# Allegro board WCS038B(3.5 - 1).brd (continued)
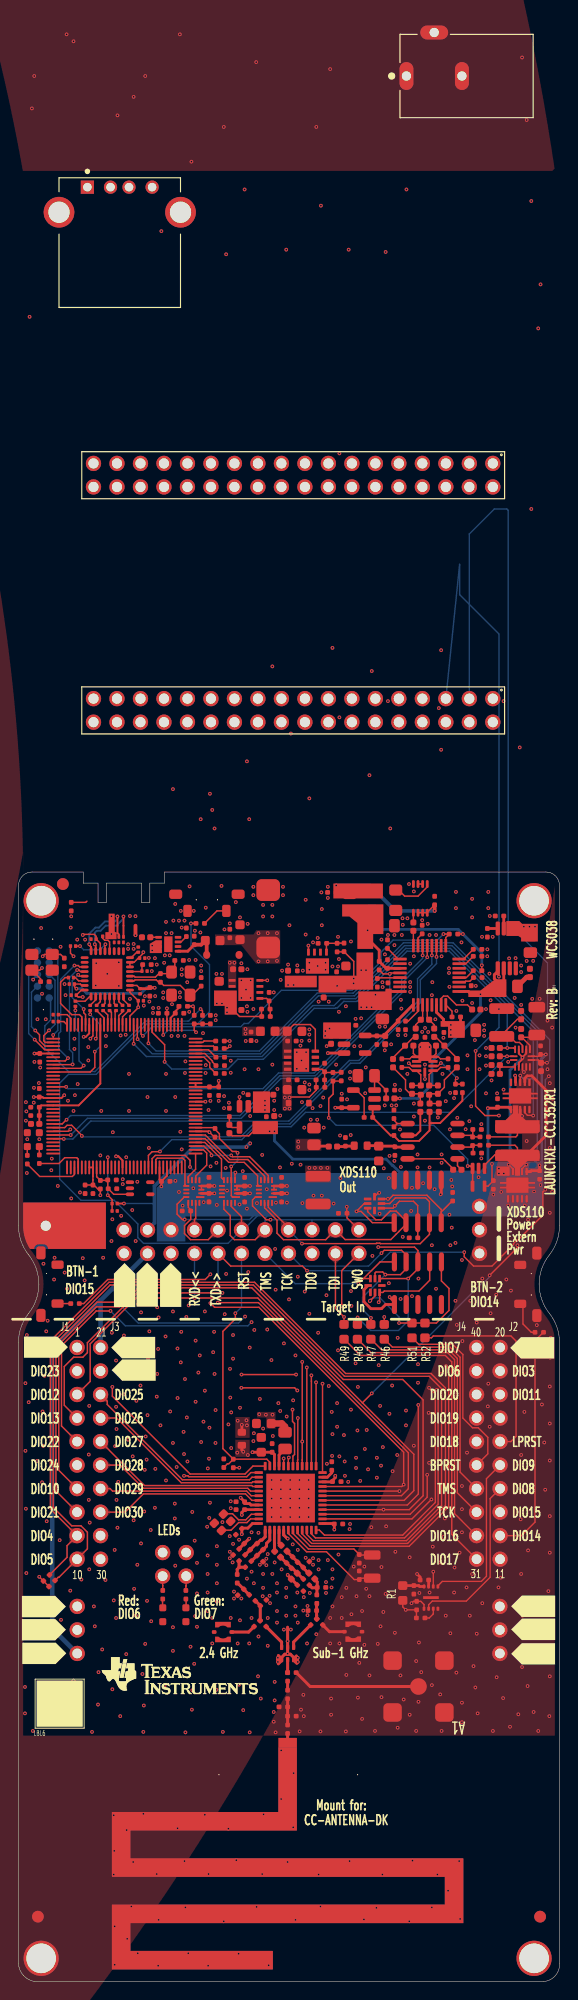
[diagram p0: board, top side]
## Footprints (pads in the part's own frame, mm; a bottom-side part is the same pattern mirrored in y, then rotated)
61303621121
  round 1.65 hole 1.1: 1(-21.59,-1.27) 2(-21.59,1.27) 3(-19.05,-1.27) 4(-19.05,1.27) 5(-16.51,-1.27) 6(-16.51,1.27) 7(-13.97,-1.27) 8(-13.97,1.27) 9(-11.43,-1.27) 10(-11.43,1.27) 11(-8.89,-1.27) 12(-8.89,1.27) 13(-6.35,-1.27) 14(-6.35,1.27) 15(-3.81,-1.27) 16(-3.81,1.27) 17(-1.27,-1.27) 18(-1.27,1.27) 19(1.27,-1.27) 20(1.27,1.27) 21(3.81,-1.27) 22(3.81,1.27) 23(6.35,-1.27) 24(6.35,1.27) 25(8.89,-1.27) 26(8.89,1.27) 27(11.43,-1.27) 28(11.43,1.27) 29(13.97,-1.27) 30(13.97,1.27) 31(16.51,-1.27) 32(16.51,1.27) 33(19.05,-1.27) 34(19.05,1.27) 35(21.59,-1.27) 36(21.59,1.27)
ANTENNA_DN024N
  rect 2x1 smd: 1(0,0)
CAPC0603X35B2N
  custom 0.35x0.4 smd: 1(0,0) 2(0.56,0)
CAPC1005X60A2N
  custom 0.65x0.64 smd: 1(0,0) 2(0.9,0)
CAPC1005X60B2N
  custom 0.524x0.5 smd: 1(0,0) 2(0.924,0)
CAPC1608X90A2N
  custom 0.95x1 smd: 1(0,0) 2(1.6,0)
CAPC1608X100A2N
  custom 0.95x1 smd: 1(0,0) 2(1.6,0)
CAPC2012X150A2N
  custom 1.15x1.45 smd: 1(0,0) 2(1.8,0)
CAPC3225X280A2N
  custom 1.15x2.7 smd: 1(0,0) 2(3,0)
CAPMP7343X200N
  custom 2.35x2.55 smd: 1(0,0) 2(6.2,0)
CUI_PJ-102A
  oval 1.508x3.016 hole 1: 1(-6.5,0) 2(-0.5,0)
  oval 3.016x1.508 hole 1: 3(-3.5,4.7)
DIO_BZX84JN
  custom 0.6x0.7 smd: 1(0,0) 2(2.2,0)
FID127X142
  round 1.27 smd: 1(0,0)
FIL_BLM18HE152SN1DL
  custom 0.752x0.9 smd: 1(0,0) 2(1.4,0)
FIL_BLM18HE152SN1DN
  custom 0.95x1 smd: 1(0,0) 2(1.6,0)
FIL_BLM18HE152SN1DN#2
  custom 0.752x0.9 smd: 1(0,0) 2(1.4,0)
FIL_LFD21829MDKED859_A2N
  custom 0.35x0.55 smd: 1(0,0) 2(0.65,0) 3(1.3,0) 4(1.3,1.325) 5(0.65,1.325) 6(0,1.325)
FILC2012X110A2N
  custom 1.15x1.45 smd: 1(0,0) 2(1.8,0)
GRADCONN_BB02HC031KB1603000_A2B
  round 1.65 hole 1.05: 1(0,0) 2(2.54,0) 3(5.08,0)
GRADCONN_BB02HJ041KB1603000_A2B
  round 1.65 hole 1.05: 1(0,0) 2(0,2.54) 3(2.54,0) 4(2.54,2.54)
GRADCONN_BB02HJ221KB160300_A2B
  round 1.65 hole 1.05: 1(0,0) 2(0,2.54) 3(2.54,0) 4(2.54,2.54) 5(5.08,0) 6(5.08,2.54) 7(7.62,0) 8(7.62,2.54) 9(10.16,0) 10(10.16,2.54) 11(12.7,0) 12(12.7,2.54) 13(15.24,0) 14(15.24,2.54) 15(17.78,0) 16(17.78,2.54) 17(20.32,0) 18(20.32,2.54) 19(22.86,0) 20(22.86,2.54) 21(25.4,0) 22(25.4,2.54)
HUSTSAN_SMA10V21TGGAN
  round 1.8 smd: 1(0,0)
  custom 2x2 smd: 2(-2.8,-2.8) 3(2.8,-2.8) 4(2.8,2.8) 5(-2.8,2.8)
INDC1005X60B2N
  custom 0.524x0.5 smd: 1(0,0) 2(0.924,0)
INDC1005X60C2N
  custom 0.65x0.64 smd: 1(0,0) 2(0.9,0)
INDC1005X60D2N
  custom 0.524x0.5 smd: 1(0,0) 2(0.924,0)
INDC2012X150A2N
  custom 1.15x1.45 smd: 1(0,0) 2(1.8,0)
LEDC1707X65L
  custom 0.752x0.752 smd: 1(0,0) 2(1.501,0)
LEDC1707X65N
  custom 0.752x0.752 smd: 1(0,0) 2(1.501,0)
LEDC1708X67L
  custom 0.752x0.752 smd: 1(0,0) 2(1.501,0)
LEDC1708X67N
  custom 0.752x0.752 smd: 1(0,0) 2(1.501,0)
MTG110_170
  round 1.699 hole 1.1: 1(0,0)
MTG320_380
  round 3.8 hole 3.2: 1(0,0)
MURATA_MM58292700RJ4_A2N
  custom 0.5x0.4 smd: 1(0,0) 2(1.9,0)
  custom 1.7x0.6 smd: M1(0.95,-0.8) M2(0.95,0.8)
OSCCC200X160X45-4A2N
  custom 0.9x0.8 smd: 1(0,0) 2(1.4,0) 3(1.4,1.1) 4(0,1.1)
OSCCC250X320X70-4AN
  custom 1.4x1.15 smd: 1(0,0) 2(2.5,0) 3(2.5,2) 4(0,2)
OSCCC250X320X100-4BN
  custom 1.402x1.198 smd: 1(0,0) 2(2.2,0) 3(2.2,1.7) 4(0,1.7)
OSCSC254P320X500X130-4A2N
  custom 1.4x1.2 smd: 1(0,0) 2(2.54,0) 3(2.54,2.2) 4(0,2.2)
QFN50P150X150X60-8N
  custom 0.3x0.8 smd: 1(0,0) 2(0.5,0) 3(1,0) 5(1,1.5) 6(0.5,1.5) 7(0,1.5)
  custom 0.8x0.3 smd: 4(1.25,0.75) 8(-0.25,0.75)
QFNFC40P180X260X55-16A2N
  custom 0.2x0.9 smd: 1(0,0)
  custom 0.2x0.65 smd: 2(0.4,-0.125) 3(0.8,-0.125) 4(1.2,-0.125) 9(1.2,1.505) 10(0.8,1.505) 11(0.4,1.505) 12(0,1.505)
  custom 0.65x0.2 smd: 5(1.825,0.09) 6(1.825,0.49) 7(1.825,0.89) 8(1.825,1.29) 13(-0.625,1.29) 14(-0.625,0.89) 15(-0.625,0.49) 16(-0.625,0.09)
QFNFC40P200X200X40-14A2N
  custom 0.2x0.8 smd: 1(0,0) 2(0.4,0) 3(0.8,0) 4(1.2,0) 5(1.6,0) 8(1.6,1.9) 9(1.2,1.9) 10(0.8,1.9) 11(0.4,1.9) 12(0,1.9)
  custom 0.8x0.2 smd: 6(1.75,0.75) 7(1.75,1.15) 13(-0.15,1.15) 14(-0.15,0.75)
QFNFC50P700X700X100-49A2N
  custom 0.3x0.9 smd: 1(0,0) 2(0.5,0) 3(1,0) 4(1.5,0) 5(2,0) 6(2.5,0) 7(3,0) 8(3.5,0) 9(4,0) 10(4.5,0) 11(5,0) 12(5.5,0) 25(5.5,6.9) 26(5,6.9) 27(4.5,6.9) 28(4,6.9) 29(3.5,6.9) 30(3,6.9) 31(2.5,6.9) 32(2,6.9) 33(1.5,6.9) 34(1,6.9) 35(0.5,6.9) 36(0,6.9)
  custom 0.9x0.3 smd: 13(6.2,0.7) 14(6.2,1.2) 15(6.2,1.7) 16(6.2,2.2) 17(6.2,2.7) 18(6.2,3.2) 19(6.2,3.7) 20(6.2,4.2) 21(6.2,4.7) 22(6.2,5.2) 23(6.2,5.7) 24(6.2,6.2) 37(-0.7,6.2) 38(-0.7,5.7) 39(-0.7,5.2) 40(-0.7,4.7) 41(-0.7,4.2) 42(-0.7,3.7) 43(-0.7,3.2) 44(-0.7,2.7) 45(-0.7,2.2) 46(-0.7,1.7) 47(-0.7,1.2) 48(-0.7,0.7)
  rect 5.25x5.25 smd: 49(2.75,3.45)
QFNFCP50P200X200X80-10A2N
  custom 0.3x1 smd: 1(0,0) 2(0.5,0) 3(1,0) 4(1.5,0) 6(1.5,1.77) 7(1,1.77) 8(0.5,1.77) 9(0,1.77)
  custom 1x0.3 smd: 5(1.67,0.885) 10(-0.1,0.885)
QFNWB50P500X500X100-33N
  oval 0.3x0.851 smd: 1(0,0) 2(0.5,0) 3(1,0) 4(1.5,0) 5(2,0) 6(2.5,0) 7(3,0) 8(3.5,0) 17(3.5,4.9) 18(3,4.9) 19(2.5,4.9) 20(2,4.9) 21(1.5,4.9) 22(1,4.9) 23(0.5,4.9) 24(0,4.9)
  oval 0.851x0.3 smd: 9(4.2,0.7) 10(4.2,1.2) 11(4.2,1.7) 12(4.2,2.2) 13(4.2,2.7) 14(4.2,3.2) 15(4.2,3.7) 16(4.2,4.2) 25(-0.7,4.2) 26(-0.7,3.7) 27(-0.7,3.2) 28(-0.7,2.7) 29(-0.7,2.2) 30(-0.7,1.7) 31(-0.7,1.2) 32(-0.7,0.7)
  rect 3.25x3.25 smd: 33(1.75,2.45)
QFP40P1600X1600X120-128N
  oval 0.201x1.501 smd: 1(0,0) 2(0.4,0) 3(0.8,0) 4(1.2,0) 5(1.6,0) 6(2,0) 7(2.4,0) 8(2.8,0) 9(3.2,0) 10(3.6,0) 11(4,0) 12(4.4,0) 13(4.8,0) 14(5.2,0) 15(5.6,0) 16(6,0) 17(6.4,0) 18(6.8,0) 19(7.2,0) 20(7.6,0) 21(8,0) 22(8.4,0) 23(8.8,0) 24(9.2,0) 25(9.6,0) 26(10,0) 27(10.4,0) 28(10.8,0) 29(11.2,0) 30(11.6,0) 31(12,0) 32(12.4,0) 65(12.4,15.4) 66(12,15.4) 67(11.6,15.4) 68(11.2,15.4) 69(10.8,15.4) 70(10.4,15.4) 71(10,15.4) 72(9.6,15.4) 73(9.2,15.4) 74(8.8,15.4) 75(8.4,15.4) 76(8,15.4) 77(7.6,15.4) 78(7.2,15.4) 79(6.8,15.4) 80(6.4,15.4) 81(6,15.4) 82(5.6,15.4) 83(5.2,15.4) 84(4.8,15.4) 85(4.4,15.4) 86(4,15.4) 87(3.6,15.4) 88(3.2,15.4) 89(2.8,15.4) 90(2.4,15.4) 91(2,15.4) 92(1.6,15.4) 93(1.2,15.4) 94(0.8,15.4) 95(0.4,15.4) 96(0,15.4)
  oval 1.501x0.201 smd: 33(13.9,1.5) 34(13.9,1.9) 35(13.9,2.3) 36(13.9,2.7) 37(13.9,3.1) 38(13.9,3.5) 39(13.9,3.9) 40(13.9,4.3) 41(13.9,4.7) 42(13.9,5.1) 43(13.9,5.5) 44(13.9,5.9) 45(13.9,6.3) 46(13.9,6.7) 47(13.9,7.1) 48(13.9,7.5) 49(13.9,7.9) 50(13.9,8.3) 51(13.9,8.7) 52(13.9,9.1) 53(13.9,9.5) 54(13.9,9.9) 55(13.9,10.3) 56(13.9,10.7) 57(13.9,11.1) 58(13.9,11.5) 59(13.9,11.9) 60(13.9,12.3) 61(13.9,12.7) 62(13.9,13.1) 63(13.9,13.5) 64(13.9,13.9) 97(-1.5,13.9) 98(-1.5,13.5) 99(-1.5,13.1) 100(-1.5,12.7) 101(-1.5,12.3) 102(-1.5,11.9) 103(-1.5,11.5) 104(-1.5,11.1) 105(-1.5,10.7) 106(-1.5,10.3) 107(-1.5,9.9) 108(-1.5,9.5) 109(-1.5,9.1) 110(-1.5,8.7) 111(-1.5,8.3) 112(-1.5,7.9) 113(-1.5,7.5) 114(-1.5,7.1) 115(-1.5,6.7) 116(-1.5,6.3) 117(-1.5,5.9) 118(-1.5,5.5) 119(-1.5,5.1) 120(-1.5,4.7) 121(-1.5,4.3) 122(-1.5,3.9) 123(-1.5,3.5) 124(-1.5,3.1) 125(-1.5,2.7) 126(-1.5,2.3) 127(-1.5,1.9) 128(-1.5,1.5)
QFP50P700X700X120-32A2N
  custom 0.3x1.45 smd: 1(0,0) 2(0.5,0) 3(1,0) 4(1.5,0) 5(2,0) 6(2.5,0) 7(3,0) 8(3.5,0) 17(3.5,6.4) 18(3,6.4) 19(2.5,6.4) 20(2,6.4) 21(1.5,6.4) 22(1,6.4) 23(0.5,6.4) 24(0,6.4)
  custom 1.45x0.3 smd: 9(4.95,1.45) 10(4.95,1.95) 11(4.95,2.45) 12(4.95,2.95) 13(4.95,3.45) 14(4.95,3.95) 15(4.95,4.45) 16(4.95,4.95) 25(-1.45,4.95) 26(-1.45,4.45) 27(-1.45,3.95) 28(-1.45,3.45) 29(-1.45,2.95) 30(-1.45,2.45) 31(-1.45,1.95) 32(-1.45,1.45)
RESC0603X35B2N
  custom 0.35x0.4 smd: 1(0,0) 2(0.56,0)
RESC1005X40A2N
  custom 0.65x0.64 smd: 1(0,0) 2(0.9,0)
RESC1005X40B2N
  custom 0.524x0.5 smd: 1(0,0) 2(0.924,0)
RESC1005X50A2N
  custom 0.65x0.64 smd: 1(0,0) 2(0.9,0)
RESC1608X55A2N
  custom 0.95x1 smd: 1(0,0) 2(1.6,0)
RESC1608X55N
  custom 0.95x1 smd: 1(0,0) 2(1.6,0)
RESC3216X75A2N
  custom 1.15x1.8 smd: 1(0,0) 2(3,0)
RESC3225X75A2N
  custom 1.15x2.7 smd: 1(0,0) 2(3,0)
RESC3246X70A2N
  custom 1.15x4.8 smd: 1(0,0) 2(2.9,0)
SAMTEC_FTSH-105-01-F-DV-K-10L
  oval 0.551x2.05 smd: 1(0,0) 2(0,4.6) 3(1.27,0) 4(1.27,4.6) 5(2.54,0) 6(2.54,4.6) 7(3.81,0) 8(3.81,4.6) 9(5.08,0) 10(5.08,4.6)
SAMTEC_SSQ11023LD_A2B
  round 1.65 hole 1.05: 1(0,0) 2(2.54,0) 3(0,2.54) 4(2.54,2.54) 5(0,5.08) 6(2.54,5.08) 7(0,7.62) 8(2.54,7.62) 9(0,10.16) 10(2.54,10.16) 11(0,12.7) 12(2.54,12.7) 13(0,15.24) 14(2.54,15.24) 15(0,17.78) 16(2.54,17.78) 17(0,20.32) 18(2.54,20.32) 19(0,22.86) 20(2.54,22.86)
SOD3716X135N
  oval 0.75x0.85 smd: 1(0,0) 2(3.5,0)
SOIC127P600X175-8N
  oval 0.6x1.55 smd: 1(0,0) 2(1.27,0) 3(2.54,0) 4(3.81,0) 5(3.81,5.4) 6(2.54,5.4) 7(1.27,5.4) 8(0,5.4)
SON50P100X145X60-6N
  custom 0.3x0.402 smd: 1(0,0) 2(0.5,0) 3(1,0) 4(1,0.59) 5(0.5,0.59) 6(0,0.59)
SON50P200X200X80-9A2N
  custom 0.3x0.7 smd: 1(0,0) 2(0.5,0) 3(1,0) 4(1.5,0) 5(1.5,2.1) 6(1,2.1) 7(0.5,2.1) 8(0,2.1)
  rect 1.7x0.9 smd: 9(0.75,1.05)
SON50P300X200X60-9B2L
  custom 0.3x0.45 smd: 1(0,0) 2(0.5,0) 3(1,0) 4(1.5,0) 5(1.5,2.4) 6(1,2.4) 7(0.5,2.4) 8(0,2.4)
  rect 1.7x0.3 smd: 9(0.75,1.2)
SON50P300X300X100-11A2N
  custom 0.25x0.8 smd: 1(0,0) 2(0.5,0) 3(1,0) 4(1.5,0) 5(2,0) 6(2,2.94) 7(1.5,2.94) 8(1,2.94) 9(0.5,2.94) 10(0,2.94)
  custom 3.8x1.65 smd: 11(1,1.47)
SON65P300X300X100-9AN
  custom 0.3x0.75 smd: 1(0,0) 2(0.65,0) 3(1.3,0) 4(1.95,0) 5(1.95,3) 6(1.3,3) 7(0.65,3) 8(0,3)
  rect 2.5x1.65 smd: 9(0.975,1.5)
SON65P300X300X100-9AN#2
  custom 0.35x0.8 smd: 1(0,0) 2(0.65,0) 3(1.3,0) 4(1.95,0) 5(1.95,3) 6(1.3,3) 7(0.65,3) 8(0,3)
  rect 2.5x1.65 smd: 9(0.975,1.5)
SOP50P310X90-8N
  oval 0.3x0.851 smd: 1(0,0) 2(0.5,0) 3(1,0) 4(1.5,0) 5(1.5,3.1) 6(1,3.1) 7(0.5,3.1) 8(0,3.1)
SOP65P490X110-8A2N
  custom 0.45x1.5 smd: 1(0,0) 2(0.65,0) 3(1.3,0) 4(1.95,0) 5(1.95,4.3) 6(1.3,4.3) 7(0.65,4.3) 8(0,4.3)
SOT65P210X110-5A2N
  custom 0.4x1.2 smd: 1(0,0) 2(0.65,0) 3(1.3,0) 4(1.3,1.92) 5(0,1.92)
SOT65P210X110-5N
  oval 0.399x0.899 smd: 1(0,0) 2(0.65,0) 3(1.3,0) 4(1.3,2.2) 5(0,2.2)
SOT95P280X145-5A2N
  custom 0.6x1.35 smd: 1(0,0) 2(0.95,0) 3(1.9,0) 4(1.9,2.29) 5(0,2.29)
SW_1188E1K2V_A2N
  round 0.099 hole 0.899 unplated: (2.229,0.6) (4.529,0.6)
  custom 1.4x1 smd: 1(0,0) 2(6.75,0)
  custom 0.9x1.3 smd: 3(1.275,1.8) 4(5.475,1.8)
TAGCONNECT_TC2050IDCNL_A2N
  round 0.1 hole 1 unplated: (-1.27,0.635) (6.35,-0.38) (6.35,1.65)
  round 0.8 smd: 1(0,0) 2(1.27,0) 3(2.54,0) 4(3.81,0) 5(5.08,0) 6(5.08,1.27) 7(3.81,1.27) 8(2.54,1.27) 9(1.27,1.27) 10(0,1.27)
TE_292303-1
  rect 1.428x1.428 hole 0.92: 1(0,0)
  round 1.428 hole 0.92: 2(2.5,0) 3(4.5,0) 4(7,0)
  round 3.316 hole 2.3: SH1(-3.07,-2.71) SH2(10.07,-2.71)
unnamed#2
  round 0.099 hole 3.2 unplated: (0,0) (15,0)
XTAL_FC-135N
  custom 1x1.798 smd: 1(0,0) 2(2.499,0)

## Nets
5V0: C48.1 C110.1 C111.2 C112.1 C151.1 C152.1 C157.1 C160.1 C161.1 C164.1 C168.1 C484.1 FL2.1 FL5.2 P4.19 R92.2 R354.2 U7.1 U7.2 U7.8 U42.1 U42.2 U42.8 U43.1 U43.3 U44.1 U44.3
5V0_BP: J1.2 P2.1 P4.20
GND: C1.2 C2.2 C3.2 C4.2 C6.2 C7.2 C8.2 C9.2 C11.2 C13.2 C14.2 C21.2 C30.2 C32.2 C34.2 C35.1 C38.2 C39.2 C40.2 C41.1 C42.2 C43.2 C44.2 C45.2 C46.2 C48.2 C49.2 C50.2 C70.2 C71.2 C72.2 C73.2 C74.2 C75.2 C78.2 C79.2 C80.2 C81.2 C83.2 C84.2 C85.1 C86.1 C87.2 C88.1 C89.2 C91.2 C108.2 C109.2 C110.2 C111.1 C112.2 C113.2 C114.2 C115.2 C116.2 C117.2 C118.2 C119.2 C120.2 C121.2 C122.2 C124.1 C125.1 C126.1 C127.2 C128.2 C133.2 C134.2 C136.2 C137.2 C138.2 C139.2 C140.2 C141.2 C142.2 C143.2 C144.2 C145.2 C147.2 C149.2 C151.2 C152.2 C154.2 C155.2 C156.2 C157.2 C158.2 C159.2 C160.2 C161.2 C162.2 C163.2 C164.2 C165.2 C166.2 C168.2 C170.1 C171.2 C174.2 C175.2 C220.2 C221.2 C231.2 C331.2 C341.2 C342.2 C351.2 C441.2 C451.2 C481.2 C484.2 C485.2 C486.2 CR1.1(C) CR2.1(C) CR4.1(C) CR5.1(C) CR6.3 CR7.4 CR8.4 CR14.2 CR15.2 FL3.1 FL3.3 FL3.5 J1.4 J2.2 J7.2 J7.3 J7.4 J7.5 J8.2 J8.3 J9.13 J9.15 J11.4 J11.SH1 J11.SH2(SHIELD__1) MH3.1 MH4.1 MH5.1 P1.2 P1.3 P2.2 P2.3 P4.21 P4.22 P5.3 P5.5 P5.9 P7.3 P7.5 P7.9 P8.3 P8.5 P8.9 P11.2 P11.M1 P11.M2 P12.2 P12.M1 P12.M2 R21.2 R28.1 R29.2 R30.2 R32.1 R34.1 R61.1 R62.1 R63.1 R65.1 R84.1 R90.1 R91.1 R93.2 R97.2 R105.1 R106.1 R115.2 R116.1 R117.1 R118.1 R122.1 R123.1 R125.1 R126.2 R127.2 R128.2 R129.2 R130.2 R133.1 R135.1 R136.1 R152.1 R353.1 SW1.1 SW1.2 SW1.3 SW2.1 SW2.2 SW2.4 SW3.1 SW3.2 SW3.4 U1.49 U4.4 U4.9 U5.10 U5.17 U5.48 U5.55 U5.58 U5.64 U5.66 U5.80 U5.114 U6.1 U7.6 U7.9 U8.1 U8.5 U8.7 U8.10 U8.11 U8.16 U9.1 U9.5 U9.10 U9.11 U9.13 U9.16 U10.7 U10.9 U10.10 U10.11 U10.12 U10.16 U15.1 U15.2 U15.33 U33.6 U33.11 U34.4 U35.5 U35.10 U35.13 U35.14 U35.18 U35.26 U35.30 U35.31 U36.4(V-) U37.5(VS-) U38.6 U38.7 U38.8 U38.9 U38.10 U38.11 U39.7 U39.10 U39.11 U39.12 U40.7 U40.8 U41.2(V-) U42.6 U42.9 U43.2 U44.2 U45.2(V-) U46.6 U46.9 U47.8 U47.9 Y2.2 Y2.4(GND#4) Y3.2 Y3.4 Y4.2 Y4.4 Y5.2 Z61.1 Z62.2
VBUS_DET: R92.1 R93.1 U5.12
VDDC: C43.1 C44.1 C45.1 U5.87(VDDC#87) U5.115
VDDR: C331.1 C451.1 C481.1 L331.2 U1.45 U1.48
VDDS: C220.1 C221.1 C341.1 C342.1 C441.1 FL1.1 R351.2 U1.13 U1.22 U1.34 U1.44
BP_RESET: J2.11 R52.1
DCDC_SW: L331.1 U1.33
DIO3: J2.4 U1.8
DIO4_SCL: J1.17 R2.1 U1.9
DIO5_SDA: J1.19 R3.1 U1.10
DIO6_RLED: J2.3 P6.2 U1.11
DIO7_GLED: J2.1 P6.4 U1.12
DIO8_MISO: J2.14 U1.14 U4.2
DIO9_MOSI: J2.12 U1.15(DIO_9) U4.5
DIO10_SCLK: J1.13 U1.16 U4.6
DIO11_CS: J2.6 U1.17
DIO14_BTN2: J2.18 R55.2 U1.20
DIO15_BTN1: J2.16 R56.2 U1.21
DIO16_TDO: CR8.5 P4.6 P5.6 R48.2 U1.26
DIO17_TDI: CR8.3 P4.4 P5.8 R49.2 U1.27
DIO19_CTS: J2.7 U1.29
DIO20_FLASH_CS: J2.5 R11.1 U1.30 U4.1
DIO21: J1.15 U1.31
DIO22: J1.9 U1.32
DIO23_ANALOG: J1.3 U1.36
DIO24_ANALOG: J1.11 U1.37
DIO25_ANALOG: J1.6 U1.38
DIO26_ANALOG: J1.8 U1.39
DIO27_ANALOG: J1.10 U1.40
DIO28_ANALOG: J1.12 U1.41
DIO29_ANALOG: J1.14 U1.42
DIO30_ANALOG: J1.16 U1.43
ET_1V8: C128.1 C158.1 C159.1 U35.1 U43.5(OUT)
ET_3V3: C126.2 C141.1 C142.1 C153.1 C154.1 C155.1 C156.1 L333.1 L334.2 R132.2 U37.3 U37.10 U40.1(VIN) U40.2 U41.5 U42.3 U42.4(OUT#4)
ET_5V0: C125.2 C165.1 FL4.1 U36.7
ET_AVDD: C119.1 C120.1 C121.1 C122.1 L334.1 R98.1 U35.6 U35.32
ET_BYPASS: U5.78 U33.4 U33.8
ET_CAL0: R129.1 U5.74 U39.13
ET_CAL1: R128.1 U5.73 U39.5
ET_CAL2: R127.1 U5.23 U39.6
ET_CALIBRATE: U5.77 U38.4
ET_DVDD: C116.1 C117.1 L332.1 L333.2 R96.1 R114.1 R119.1 U35.27 Y5.1
ET_FB: C169.2 R138.1 U45.3 U45.4
ET_PM2: R96.2 U5.76 U35.17(START)
ET_PN3: R114.2 U5.110 U35.28
ET_SSICLK: U5.120 U35.22
ET_SSIDAT0: U5.123 U35.21
ET_SSIDAT1: U5.124 U35.20
ET_SSIFSS: U5.121 U35.19
ET_VDD: C172.1 C174.1 C485.1 C486.1 CR14.1(CATHODE) P10.1 R151.2 U46.3 U46.4(OUT#4)
ET_VREF: C127.1 C146.1 R121.1 U35.9 U40.5 U40.6
IRSTN: P8.10 R20.2
ITCK: P8.4 U5.100
ITDI: P8.8 U5.98
ITDO: P8.6 U5.97
ITMS: P8.2 U5.99
LP_RESET: J2.10 R51.1
LS_VDD: C70.1 C72.1 C74.1 CR7.8(VCC) P7.1 P10.2 U8.2(VCCB) U9.2(VCCB) U10.2(VCCB) U33.3 U33.9
RX_TX: C11.1 C32.1 L12.2 L33.1 U1.5
SW_VDD: C114.1 C139.1 C140.1 C162.1 C163.1 C170.2 R134.2 U33.1(VCC) U38.1(VCC) U39.14(VCC) U44.5(OUT) U45.5
TARGET_VDD: P4.17 U38.5
USB1V8: C83.1 C84.1 C85.2 U15.15 U15.26
USB_VBUS: CR6.6 J8.1 J9.1 J9.3 J9.5 J9.7 J11.1 R82.2 U47.2 U47.3 U47.4
USBA1V8: C86.2 C87.1 U15.29
USBCLK: R148.2 U5.92
USBD0: R140.2 U5.81
USBD1: R141.2 U5.82
USBD2: R142.2 U5.83
USBD3: R143.2 U5.84
USBD4: R144.2 U5.85
USBD5: R145.2 U5.86
USBD6: R146.2 U5.106
USBD7: R147.2 U5.105
USBDIR: U5.104 U15.12
USBDM: CR6.5 U15.8
USBDM_WIFI: J9.9 J11.2
USBDP: CR6.4 U15.7
USBDP_WIFI: J9.11 J11.3
USBNXT: U5.103 U15.11
USBSTP: U5.91 U15.13
VCM: R100.1 R109.2 R111.2 R131.1 U41.1
WMCU_RESET: C351.1 CR8.2 P4.12 P5.10 R51.2 R52.2 R351.1 U1.35
WMCU_RXD: J1.5 J10.5 P4.16 U1.18
WMCU_SWO: J2.9 P4.2 U1.28
WMCU_TCK: CR8.6 P4.8 P5.4 R47.2 U1.25
WMCU_TMS: CR8.7 P4.10 P5.2 R46.2 U1.24
WMCU_TXD: J1.7 J10.3 P4.14 U1.19
WMCU_VDD: CR8.8(VCC) FL1.2 J1.1 P1.1 P4.18 P5.1 P10.3 R1.2 R2.2 R3.2 R11.2 R59.2 R60.2
XDS_RESET: R58.1 U5.40 U10.1 U10.6
XDS_RESET_LS: CR7.2 P4.11 P7.10 R57.2 U10.15
XDS_RX: U5.33 U8.8
XDS_RX_LS: P4.13 R61.2 U8.13
XDS_SWO: U5.25 U8.9
XDS_SWO_LS: P4.1 R62.2 U8.12
XDS_TCK: U5.35 U9.6
XDS_TCK_LS: CR7.6 P4.7 P7.4 U9.15
XDS_TDI: U5.38 U9.7
XDS_TDI_LS: CR7.3 P4.3 P7.8 U9.14
XDS_TDO: U5.37 U9.9
XDS_TDO_LS: CR7.5 P4.5 P7.6 R63.2 U9.12
XDS_TMS: U5.36 U10.8
XDS_TMS_DIR: U5.24 U10.5
XDS_TMS_LS: CR7.7 P4.9 P7.2 R65.2 U10.13
XDS_TX: U5.34 U8.6
XDS_TX_LS: P4.15 U8.15
XDS_VDD: C2.1 C3.1 C4.1 C6.1 C7.1 C38.1 C39.1 C40.1 C42.1 C47.1 C49.1 C71.1 C73.1 C75.1 C78.1 C79.1 C80.1 C113.1 P8.1 R17.2 R18.2 R27.1 R31.2 R33.2 R39.1 R58.2 R83.1 U5.7 U5.8 U5.16 U5.26 U5.28 U5.39 U5.47 U5.51 U5.52 U5.69 U5.79 U5.90 U5.101 U5.113 U5.122 U7.3 U7.4(OUT#4) U8.3 U8.4 U9.3 U9.4 U10.3 U10.4 U15.6 U15.16 U15.25 U15.30 U15.31
N1013277: U1.46 Y2.3
N1014101: C81.1 U1.6 Y1.1
N1014113: C91.1 U1.7 Y1.2
N1017630: C30.1 R1.1 U4.8(VCC)
N1018954: U1.47 Y2.1
N1105722: CR1.2 R15.1
N1105771: CR2.2 R14.1
N1105824: P6.1 R14.2
N1106228: P6.3 R15.2
N1176544: J2.13 R46.1
N1176548: J2.15 R47.1
N1176568: J2.17 R48.1
N1177007: J2.19 R49.1
N1288065: R55.1 SW2.3
N1288098: R56.1 SW1.4
N1409884: R59.1 U4.3
N1409917: R60.1 U4.7
N2070546: C231.1 U1.23
N2077625: C37.1 P12.1
N2078767: C483.2 J7.1
N2082297: Z60.2 Z61.2 Z62.1 Z63.1
N2082307: A1.1 Z63.2
N2109598: C482.2 Z60.1
N2200217: C482.1 C483.1 FL3.2(P3_COMM_PORT)
N2265485: C12.1 L11.1 L12.1 U1.1
N2265505: C12.2 L13.1 L21.2
N2265585: C13.1 L13.2 L14.1
N2265597: C14.1 C15.1 C24.1 L14.2
N2265609: C21.1 L11.2 L21.1 U1.2
N2265771: L31.1 U1.3
N2265775: L41.1 U1.4
N2265811: C31.2 C33.1 L31.2 L32.1 L33.2
N2265859: C33.2 C34.1 L34.1 L42.2
N2265947: C35.2 C36.1 C37.2 L34.2
N2265959: C31.1 C41.2 L32.2 L41.2 L42.1
N2271463: C24.2 P11.1
N2275325: C15.2 FL3.6
N2275332: C36.2 FL3.4
N2777344: R57.1 SW3.3
N2941019: R90.2 U5.95
N2941087: R91.2 U5.96
N2941281: R23.2 U5.3
N2941323: R25.2 U5.4
N2941527: CR5.2 R25.1
N2941531: CR4.2 R23.1
N2941987: C89.1 R87.2 U15.28 Y4.1
N2942075: C88.2 R87.1 U15.27(XO) Y4.3
N2942253: R83.2 U15.5
N2942419: R39.2 U5.63
N2942527: R84.2 U15.32
N2942551: R27.2 U5.62
N2942639: R29.1 U5.61
N2942779: R30.1 U5.60
N2943199: C46.1 R31.1 U5.68
N2943207: R140.1 U15.24
N2943259: R148.1 U15.14
N2943267: R141.1 U15.23
N2943319: R142.1 U15.22
N2943359: R143.1 U15.21
N2943391: R144.1 U15.20
N2943423: R32.2
N2943451: R145.1 U15.19
N2943523: R146.1 U15.18
N2943603: R147.1 U15.17
N2943999: R17.1 R20.1 R21.1 U5.70
N2944041: C8.1 C50.1 R18.1 U5.9 U6.3
N2944467: C47.2 R33.1 R34.2 U7.5
N2944509: C9.1 U5.88 Y3.1
N2944561: C1.1 U5.89 Y3.3
N2944733: R28.2 U5.59
N2986125: C115.1 C118.1 L332.2 U34.6 U34.7 U34.8(VCC) Y5.4(VCC)
N2986433: R99.2 R107.2 U33.2
N2986453: U34.1 Y5.3
N2986493: U34.2 U34.3
N2986501: R94.2 U34.5
N2986505: R94.1 U35.24
N2986529: R107.1 R108.2 U33.7 U38.3 U45.1
N2986711: C129.1 R95.2 R101.1 R102.2
N2986719: R95.1 R103.1 R104.2
N2986959: C123.1 C130.1 R102.1 U37.4
N2986967: C123.2 R103.2 U37.1
N2987171: R97.1 U35.29
N2987283: C124.2 C132.1 R99.1 U36.3
N2987343: R98.2 U35.8
N2987399: R137.2 U36.1
N2987403: R137.1 U36.8
N2987531: R101.2 U36.6
N2987583: C131.1 R104.1 U35.3
N2987595: R105.2 U35.23
N2987655: C132.2 C134.1 R108.1 U36.2
N2987667: C133.1 R111.1 U37.7
N2987683: C131.2 R113.1 U35.4
N2987711: R100.2 R106.2 U36.5
N2987751: C130.2 C135.1 R110.1 U37.6
N2987759: C135.2 R112.2 U37.9
N2987811: C136.1 U35.2
N2987883: C129.2 R109.1 R110.2 R115.1 R120.2
N2987963: C137.1 U35.11
N2988091: R112.1 R113.2 R120.1
N2988111: C138.1 U35.25
N2988211: R116.2 U35.7
N2988383: R117.2 U35.16
N2988415: R118.2 U35.15
N2988503: R119.2 U35.12
N2988673: U38.2 U39.2 U39.4 U39.9
N2989115: C143.1 R123.2 U39.1
N2989191: R136.2 U40.3
N2989203: C147.1 R121.2 R126.1 U41.3
N2989279: C145.1 U40.4
N2989287: C146.2 R122.2
N2989331: C144.1 R125.2 U39.3
N2989451: R131.2 U41.4
N2989545: C149.1 R130.1 U39.8
N2992079: C171.1 C175.1 FL5.1 U46.1 U46.2 U46.8
N2992279: C153.2 R132.1 R133.2 U42.5
N2992427: C169.1 C172.2 R138.2 R151.1 R152.2 U46.5
N2992751: C166.1 FL4.2 R354.1
N2993203: R134.1 R135.2 U44.4
N3010981: C109.1 CR15.1(CATHODE) FL2.2 U47.5(OUT)
N3012487: C108.1 U47.1
N3014332: R353.2 U47.7
N294220919: R82.1 U15.4

Pads without a net: CR6 1 2; CR7 1; CR8 1; FIDU1 1; FIDU2 1; FIDU3 1; FIDU4 1; FIDU5 1; FIDU6 1; J1 18 20; J2 8 20; J9 2 4 6 8 10 12 14 16 17 18 19 20 21 22 23 24 25 26 27 28 29 30 31 32 33 34 35 36; J10 1 2 4 6 7 8 9 10 11 12 13 14 15 16 17 18 19 20 21 22 23 24 25 26 27 28 29 30 31 32 33 34 35 36; MH1 1; MH2 1; P5 7; P7 7; P8 7; U5 1 2 5 6 11 13 14 15 18 19 20 21 22 27 29 30 31 32 41 42 43 44 45 46 49 50 53 54 56 57 65 67 71 72 75 93 94 102 107 108 109 111 112 116 117 118 119 125 126 127 128; U6 2 4 5; U7 7; U8 14; U9 8; U10 14; U15 3 9 10; U33 5 10; U37 2 8; U42 7; U43 4; U46 7; U47 6

## Via types
v1: diameter 0.4, hole 0.2, TOP to BOTTOM, 1252 vias
v2: diameter 0.5, hole 0.201, TOP to BOTTOM, 25 vias

## Routing (per net, layer and track width the routed paths; a pad name or vN(x,y) marks a point on that pad's centre or on a via; arc(x,y) is an arc through that point)
5V0: length 27.3
  TOP w0.15: U44.3 v1(23.9,95.5) ; U42.8 v1(31.35,111.85) ; U7.8 v1(26.9,108.1)
  TOP w0.2: R92.2 v1(11.4,84)
  TOP w0.3: C168.1 32.1,90.2 33.5,90.2 R354.2 ; U43.3 v1(33.45,100.25)
  L3 w0.15: 26.31,94.79 26.3,94.8
  BOTTOM w0.15: 14.7,84 v1(11.4,84)
  BOTTOM w0.4: v1(25.05,90.5) 25,90.5 24.6,90.1 ; 24.6,90.1 18.92,90.1 14.7,85.88 14.7,81.91 P4.19 ; 24.6,90.1 v1(24.65,90.1)
  vias: v1(22.85,110) v1(23.35,110) v1(24.55,102.85) v1(24.55,102.35) v1(25.95,113.2) v1(25.95,110.15) v1(26.65,95.1) v1(26.65,94.6) v1(26.65,94.1) v1(26.95,113.2) v1(26.95,110.15) v1(27.95,113.2) v1(27.95,110.2) v1(29.15,107.6) v1(29.75,107.6) v1(30.25,90.7) v1(30.25,90.1) v1(33.18,102.63) v1(33.15,102.1) v1(33.63,102.9)
5V0_BP: length 53.7
  BOTTOM w0.5: J1.2 8.87,73.54 ; 8.87,73.54 3.65,68.32 3.65,38.12 P2.1 ; 8.87,73.54 P4.20
GND: length 69.8
  TOP w0.15: 2.07,82.48 MH5.1 ; MH5.1 4.05,81.6 ; MH5.1 3.83,82.48 ; MH5.1 2.45,82.74 ; MH5.1 2.45,80.46 ; MH5.1 1.81,82.1 ; MH5.1 2.95,80.5 ; MH5.1 3.45,80.46 ; MH5.1 2.95,82.7 ; MH5.1 3.45,82.74 ; MH5.1 4.09,82.1 ; MH5.1 1.85,81.6 ; MH5.1 3.83,80.72 ; MH5.1 1.81,81.1 ; MH5.1 4.09,81.1 ; MH5.1 2.07,80.72 ; v1(18.75,29.35) 18.65,29.35
  TOP w0.32: FL3.3 29.75,34.7 30.1,34.35 ; FL3.3 30.15,34.75 ; FL3.3 29.75,34.85 ; 28.45,34.85 FL3.1 ; 28.45,34.85 28.45,34.99 28.79,35.34 29.03,35.34 v1(29.1,35.4) ; 28.45,34.85 28.1,35.2 ; FL3.1 28,34.75 ; FL3.1 28.45,34.65 28.1,34.3 ; v1(29.1,35.4) 29.16,35.34 29.41,35.34 29.75,34.99 29.75,34.85 ; v1(29.1,35.4) FL3.5 v1(29.1,36.75) 29.1,38.25 ; 29.75,34.85 30.05,35.15
  TOP w0.4: v1(12.65,112.97) 12.65,114
  L2 w1: J8.2 51.2,205.75 ; J11.4 14.95,208 ; J8.3 44.95,206.5
  BOTTOM w0.15: 2.07,82.48 MH5.1 ; MH5.1 4.09,81.1 ; MH5.1 3.45,82.74 ; MH5.1 3.45,80.46 ; MH5.1 2.45,82.74 ; MH5.1 2.07,80.72 ; MH5.1 2.95,80.5 ; MH5.1 2.95,82.7 ; MH5.1 2.45,80.46 ; MH5.1 3.83,82.48 ; MH5.1 1.81,82.1 ; MH5.1 1.81,81.1 ; MH5.1 1.85,81.6 ; MH5.1 4.05,81.6 ; MH5.1 3.83,80.72 ; MH5.1 4.09,82.1 ; P8.3 1.6,108.2 1.6,108.18 v1(1.58,108.18)
  vias: v1(0.8,94.95) v1(0.8,92.95) v1(0.8,68.35) v1(0.75,64.6) v1(0.75,57.3) v1(0.8,51.05) v1(0.7,39.55) v1(0.7,35.45) v1(0.7,31.8) v1(0.7,28.95) v1(0.85,93.95) v1(0.9,87.3) v1(0.9,69.8) v1(0.85,44.1) v1(0.95,90.95) v1(1.2,179.75) v1(1.1,62.55) v1(1.45,202.25) v1(1.55,27.05) v1(1.67,96.5) v1(1.65,94.9) v1(1.7,205.75) v1(1.72,99.3) v1(1.8,37.55) v1(2.05,103.9) v1(2,56.2) v1(2.2,97.01) v1(2.25,90.95) v1(2.35,98.69) v1(2.45,113.75) v1(2.45,40.8) v1(2.55,53.9) v1(2.65,68.5) v1(2.6,61.55) v1(2.65,57.85) v1(2.7,77.5) v1(2.8,65.4) v1(2.95,103.9) v1(3,70.2) v1(3.05,49.7) v1(3.15,71.35) v1(3.55,87.6) v1(3.5,35.35) v1(3.6,88.85) v1(3.9,78.15) v1(3.85,75.8) v1(4.25,85.9) v1(4.45,47.65) v1(4.55,111.73) v1(4.6,39.05) v1(4.98,107.7) v1(4.99,76.55) v1(5.09,106.5) v1(5,30.45) v1(5.2,210.25) v1(5.15,28.25) v1(5.25,74.8) v1(5.35,95.1) v1(5.65,113.8) v1(5.6,42.2) v1(5.7,115.01) v1(5.7,84.55) v1(5.95,209.5) v1(5.95,94) v1(5.95,32.5) v1(6.05,101.8) v1(6.05,100.7) v1(6.1,95.7) v1(6.35,112.5) v1(6.4,96.9) v1(6.65,85.2) v1(6.8,43.4) v1(6.95,78.1) v1(7.2,112.5) v1(7.15,75.7) v1(7.55,100.9) v1(7.55,99.45) v1(7.65,62.15) v1(7.6,56.9) v1(7.6,52) v1(7.65,44.5) v1(7.7,49.55) v1(7.95,26.95) v1(8.15,40.5) v1(8.25,38.35) v1(8.4,109.95) v1(8.35,107.55) v1(8.65,33.4) v1(8.6,29.9) v1(8.85,89.2) v1(8.95,94) v1(9.05,35.85) v1(9.15,78.15) v1(9.4,43.35) v1(9.45,102.1) v1(9.45,101) v1(9.6,108.8) v1(10.05,79.95) v1(10.2,91.7) v1(10.15,82.3) v1(10.1,70.05) v1(10.15,31.55) v1(10.3,41.15) v1(10.4,46.6) v1(10.45,57.8) v1(10.55,67.05) v1(10.55,62.05) v1(10.55,39.25) v1(10.6,59.65) v1(10.6,52) v1(10.7,201.5) v1(10.79,53.95) v1(10.7,49) v1(10.85,110.05) v1(10.85,107.5) v1(10.85,68.65) v1(11.05,102.15) v1(11,28.65) v1(11.1,82.68) v1(11.27,86.63) v1(11.27,86.1) v1(11.25,65.1) v1(11.4,69.75) v1(11.35,63.4) v1(11.59,102.23) v1(11.65,89) v1(11.65,35.35) v1(11.85,112) v1(11.85,111.5) v1(11.85,58.5) v1(11.95,98) v1(11.95,94) v1(12.05,115.05) v1(12.05,106.1) v1(12.3,83.3) v1(12.35,56.7) v1(12.45,203.5) v1(12.45,112.03) v1(12.45,111.5) v1(12.45,68.85) v1(12.45,49.8) v1(12.5,42.4) v1(12.65,115.03) v1(12.67,79.95) v1(12.75,62.7) v1(12.7,39.5) v1(12.85,86.35) v1(12.85,45) v1(12.95,73.15) v1(13,66.25) v1(13.19,64.35) v1(13.25,72.25) v1(13.25,47.3) v1(13.4,33.2) v1(13.55,105.37) v1(13.55,29.8) v1(13.5,26.95) v1(13.67,106.39) v1(13.65,55.25) v1(13.6,50.75) v1(13.7,205.75) v1(13.75,58.85) v1(13.7,36.45) v1(13.85,56.35) v1(13.9,41.1) v1(13.95,95.5) v1(13.95,61.15) v1(14.09,110.52) v1(14,67.2) v1(14.15,105.81) v1(14.1,90) v1(14.15,70.2) v1(14.3,48.75) v1(14.35,38.9) v1(14.41,109.1) v1(14.55,105.11) v1(14.54,104.58) v1(14.75,110.5) v1(14.78,106.4) v1(14.8,55.35) v1(14.75,51.15) v1(14.95,109.8) v1(14.95,63.15) v1(15,72.8) v1(15,65.6) v1(15.15,105.13) v1(15.15,71.7) v1(15.1,68.3) v1(15.35,60.05) v1(15.45,189) v1(15.65,106.8) v1(15.65,106.2) v1(15.75,110) v1(15.8,31.95) v1(15.82,110.8) v1(15.9,69.65) v1(15.95,114.41) v1(15.95,113.2) v1(15.95,98) v1(15.95,94) v1(15.95,54.1) v1(16.35,110.8) v1(16.4,61.55) v1(16.55,113.2) v1(16.55,102.1) v1(16.6,105.52) v1(16.7,128.75) v1(16.75,114.55) v1(16.7,72.35) v1(16.7,58.15) v1(16.7,38.25) v1(16.7,35.7) v1(16.9,51.6) v1(16.9,50) v1(16.95,116.35) v1(16.95,95.5) v1(16.96,86.45) v1(16.95,44.9) v1(17.19,68.35) v1(17.2,63) v1(17.1,55.55) v1(17.25,102.1) v1(17.35,114.55) v1(17.35,85.25) v1(17.45,210.25) v1(17.45,106.8) v1(17.45,106.27) v1(17.55,115.6) v1(17.5,91.75) v1(17.55,66.85) v1(17.65,113.8) v1(17.65,109.3) v1(17.65,108.7) v1(17.65,89.85) v1(17.6,70.15) v1(17.75,83.78) v1(17.85,59.35) v1(17.9,56.95) v1(17.95,114.55) v1(17.95,102.1) v1(18.05,99.35) v1(18,98.1) v1(18,65.05) v1(18.05,26.9) v1(18.15,71.75) v1(18.2,60.9) v1(18.25,107.9) v1(18.27,56.15) v1(18.4,73) v1(18.45,110.3) v1(18.46,104.7) v1(18.5,118.25) v1(18.6,36.15) v1(18.7,196.5) v1(18.79,50.7) v1(18.8,31.45) v1(18.9,85.65) v1(18.95,115.6) v1(19.07,113.46) v1(19.05,47.6) v1(19,34.3) v1(19.15,110.3) v1(19.15,69.2) v1(19.15,62.6) v1(19.1,39.45) v1(19.3,45.2) v1(19.3,41.9) v1(19.3,38.3) v1(19.45,65.75) v1(19.67,113.27) v1(19.6,67.6) v1(19.7,125.5) v1(19.75,109.7) v1(19.75,109.1) v1(19.75,58.25) v1(19.95,102.4) v1(20.02,84.15) v1(20,60.45) v1(20.15,72.35) v1(20.15,63.8) v1(20.25,115.95) v1(20.25,98.95) v1(20.23,98.1) v1(20.4,49.1) v1(20.47,55.4) v1(20.45,46) v1(20.45,44) v1(20.45,42) v1(20.45,40) v1(20.55,94.1) v1(20.65,59.8) v1(20.6,56.45) v1(20.63,50.05) v1(20.7,128.25) v1(20.75,95.09) v1(20.77,88.01) v1(20.7,51.7) v1(20.95,126.5) v1(20.95,39.25) v1(20.95,36.5) v1(21.05,67.95) v1(21.2,124.5) v1(21.15,70.15) v1(21.2,65.6) v1(21.3,58.15) v1(21.4,108.8) v1(21.33,104.33) v1(21.32,103.8) v1(21.4,88.4) v1(21.31,61.7) v1(21.4,31.5) v1(21.45,83.85) v1(21.45,47) v1(21.45,45) v1(21.45,43) v1(21.45,41) v1(21.65,95.09) v1(21.95,118.3) v1(22,108.8) v1(22.05,49.6) v1(22.2,200.25) v1(22.1,26.95) v1(22.27,113.6) v1(22.23,95.6) v1(22.22,94.3) v1(22.3,72.05) v1(22.4,87.85) v1(22.45,186.5) v1(22.45,76.4) v1(22.55,85.4) v1(22.75,94.89) v1(22.7,60.15) v1(22.85,114.25) v1(22.87,66.15) v1(22.9,63.05) v1(22.84,48.09) v1(22.85,46.4) v1(22.85,45.7) v1(22.95,99.43) v1(22.95,98.12) v1(22.95,51.85) v1(22.95,51.1) v1(22.95,39.25) v1(23,61.45) v1(23,57.6) v1(23.2,69.8) v1(23.2,67.25) v1(23.2,47.25) v1(23.15,45.25) v1(23.3,42.1) v1(23.3,41.35) v1(23.5,116.55) v1(23.7,36.5) v1(23.9,83.9) v1(23.85,47.7) v1(23.85,32.05) v1(23.95,114.9) v1(23.95,61.95) v1(23.95,39) v1(24.1,109.95) v1(24.1,108.1) v1(24.1,106.2) v1(24.1,41.35) v1(24.3,95.95) v1(24.25,87.5) v1(24.3,29.3) v1(24.45,193.5) v1(24.45,98.5) v1(24.57,101.55) v1(24.6,107.1) v1(24.7,131.75) v1(24.78,114.2) v1(24.75,109.3) v1(24.7,105.3) v1(24.75,104.7) v1(24.7,83.45) v1(24.7,43.5) v1(24.85,76.6) v1(24.95,125.5) v1(24.95,36.5) v1(25.05,93.45) v1(25,68.45) v1(25,26.9) v1(25.1,108.1) v1(25.1,106.2) v1(25.2,48.5) v1(25.2,44.25) v1(25.2,39.25) v1(25.4,118.2) v1(25.4,117.3) v1(25.4,105) v1(25.4,58.35) v1(25.45,59.2) v1(25.45,43) v1(25.5,70.35) v1(25.7,207.25) v1(25.73,101.55) v1(25.78,84.05) v1(25.9,32.95) v1(25.95,98.5) v1(25.95,48.45) v1(25.95,37.25) v1(26.1,62.9) v1(26.1,45) v1(26.2,30.55) v1(26.35,89.25) v1(26.4,41.6) v1(26.45,116.25) v1(26.45,115) v1(26.45,59.7) v1(26.45,44) v1(26.45,42.5) v1(26.8,45.65) v1(26.8,44.95) v1(26.85,85.55) v1(26.9,70.4) v1(26.95,46.15) v1(26.95,39.25) v1(26.95,36.25) v1(27.15,41.65) v1(27.2,40.85) v1(27.35,67.1) v1(27.45,142) v1(27.45,116.25) v1(27.45,115) v1(27.45,99) v1(27.45,44) v1(27.5,58.9) v1(27.6,106.8) v1(27.65,95.1) v1(27.65,94.1) v1(27.6,29.1) v1(27.6,28.05) v1(27.75,79.1) v1(27.8,74.7) v1(27.7,45.25) v1(27.7,32.35) v1(27.7,30.35) v1(27.8,26.9) v1(27.84,84.1) v1(27.95,43) v1(27.95,42) v1(27.95,40) v1(27.95,38.75) v1(28,96.37) v1(28.05,34.95) v1(28.05,34.5) v1(28.1,62.45) v1(28.3,93.5) v1(28.27,87.9) v1(28.3,61.6) v1(28.35,108.15) v1(28.45,44.5) v1(28.5,109.15) v1(28.6,118.2) v1(28.6,117.3) v1(28.7,68.9) v1(28.7,38) v1(28.95,187) v1(28.95,42.5) v1(28.95,41.5) v1(28.95,39.5) v1(29.03,84.1) v1(29,61) v1(29.15,109.8) v1(29.3,114.05) v1(29.25,73.65) v1(29.45,134.75) v1(29.45,38) v1(29.55,88.3) v1(29.65,47.2) v1(29.7,62.75) v1(29.95,67.6) v1(29.95,40.5) v1(29.95,39.5) v1(30.15,109.71) v1(30.1,100.35) v1(30.1,98.55) v1(30.2,76.1) v1(30.2,46.6) v1(30.15,42) v1(30.2,38.75) v1(30.2,34.95) v1(30.2,34.5) v1(30.4,27) v1(30.49,101.06) v1(30.5,88.2) v1(30.55,29.35) v1(30.61,101.57) v1(30.6,99.45) v1(30.65,94.95) v1(30.75,109.15) v1(30.7,84.05) v1(30.8,40.05) v1(30.8,30.95) v1(30.9,92.2) v1(30.85,41.5) v1(30.85,28.65) v1(30.95,97.07) v1(30.95,74.5) v1(31.05,116.8) v1(31.05,113.05) v1(31.05,45.75) v1(31.1,100.35) v1(31.1,98.55) v1(31.2,36.5) v1(31.25,40.55) v1(31.25,39.55) v1(31.45,127.75) v1(31.45,110) v1(31.45,109.25) v1(31.45,102.8) v1(31.45,102.25) v1(31.45,101.6) v1(31.45,96.85) v1(31.45,96.25) v1(31.45,72.1) v1(31.5,41.95) v1(31.6,93.05) v1(31.8,94.3) v1(31.85,112.2) v1(31.9,84.85) v1(31.85,45.7) v1(31.85,45) v1(32.2,200.25) v1(32.2,37.5) v1(32.3,93.05) v1(32.35,112.68) v1(32.35,109.65) v1(32.4,70.05) v1(32.45,105.8) v1(32.45,45.5) v1(32.45,44.5) v1(32.65,94.53) v1(32.65,27) v1(32.7,191.75) v1(32.75,117.6) v1(32.8,115.8) v1(32.8,114.05) v1(32.8,84.85) v1(32.95,95.45) v1(33,92.2) v1(33.2,110) v1(33.2,109.25) v1(33.3,74.1) v1(33.25,43.13) v1(33.25,41.95) v1(33.32,101) v1(33.35,55.9) v1(33.45,118.2) v1(33.45,117) v1(33.45,45.5) v1(33.55,105.8) v1(33.55,64.3) v1(33.7,206.5) v1(33.7,39.25) v1(33.7,36.5) v1(33.8,30.55) v1(33.8,28.8) v1(33.87,61.5) v1(33.85,42.55) v1(33.95,144) v1(33.95,109.6) v1(33.95,59.1) v1(33.91,56.75) v1(33.95,44.5) v1(33.95,43.5) v1(33.95,40.5) v1(34.08,84) v1(34.35,99) v1(34.45,62.45) v1(34.45,59.9) v1(34.55,112.8) v1(34.55,109.6) v1(34.55,68.15) v1(34.65,110.4) v1(34.65,104.7) v1(34.6,46.1) v1(34.7,165) v1(34.7,136.5) v1(34.77,91.35) v1(34.8,86.75) v1(34.7,56.7) v1(34.7,36.5) v1(34.95,95.86) v1(34.95,41.5) v1(34.95,39.25) v1(35.19,59) v1(35.27,56.15) v1(35.3,54.6) v1(35.4,105.3) v1(35.4,27) v1(35.45,42.5) v1(35.45,33.1) v1(35.53,95.25) v1(35.65,53.95) v1(35.7,187) v1(35.75,85.4) v1(35.8,48.85) v1(35.85,98.2) v1(35.85,97.5) v1(35.85,49.4) v1(35.95,112.3) v1(35.93,91.4) v1(35.95,74.55) v1(35.95,61.75) v1(36,72.95) v1(36,39.65) v1(36.25,44.8) v1(36.31,100.99) v1(36.45,103.95) v1(36.45,66.75) v1(36.5,56.55) v1(36.5,55.45) v1(36.55,41.6) v1(36.65,59.5) v1(36.7,64.2) v1(36.7,30.65) v1(36.85,34.4) v1(36.95,101) v1(36.95,54.05) v1(37.05,104) v1(37.15,40) v1(37.15,28.35) v1(37.4,44.8) v1(37.4,36.35) v1(37.49,95.91) v1(37.45,57.5) v1(37.55,98.7) v1(37.65,59.55) v1(37.6,42.4) v1(37.8,55.3) v1(37.95,130.25) v1(37.95,41.6) v1(37.95,33.05) v1(38.2,141.5) v1(38.15,49.05) v1(38.27,78.35) v1(38.45,87.8) v1(38.55,27.05) v1(38.75,56.55) v1(38.75,54.4) v1(38.85,36.45) v1(38.95,66.55) v1(39.05,103.1) v1(39.05,82.9) v1(39.1,62.15) v1(39.2,55.7) v1(39.15,38.35) v1(39.25,112.5) v1(39.25,44.75) v1(39.25,30.7) v1(39.35,107.9) v1(39.38,107.37) v1(39.4,57.7) v1(39.45,39.9) v1(39.5,87.8) v1(39.62,110.91) v1(39.65,103.1) v1(39.61,100.55) v1(39.6,94.6) v1(39.7,186.75) v1(39.75,49.15) v1(39.7,41.85) v1(39.95,138.25) v1(39.95,113) v1(40.05,86.75) v1(40.05,75.4) v1(40.2,124.5) v1(40.12,89.15) v1(40.11,61.3) v1(40.3,101.19) v1(40.35,94.6) v1(40.4,64.35) v1(40.45,55.1) v1(40.65,113) v1(40.65,111.9) v1(40.65,88.61) v1(40.7,96.83) v1(40.75,46.4) v1(40.7,37.65) v1(40.85,94.6) v1(40.95,56.85) v1(41.05,102.19) v1(41,69.5) v1(41,27.4) v1(41.26,96.25) v1(41.25,92) v1(41.3,33.05) v1(41.35,106) v1(41.4,105.05) v1(41.35,87.95) v1(41.32,73.7) v1(41.45,113) v1(41.53,114.8) v1(41.55,114.1) v1(41.55,80.4) v1(41.65,30.45) v1(41.85,102.19) v1(41.9,61.65) v1(41.9,60.05) v1(41.95,193.5) v1(42.05,114.8) v1(42.05,98) v1(42.22,118.5) v1(42.3,45.8) v1(42.3,28.8) v1(42.35,109.9) v1(42.35,107.91) v1(42.35,107.39) v1(42.35,106.86) v1(42.45,83.2) v1(42.55,85.7) v1(42.55,74) v1(42.75,117.7) v1(42.75,110.7) v1(42.75,94.8) v1(42.75,93.4) v1(42.75,57.85) v1(43,34.6) v1(43,27.05) v1(43.15,89.3) v1(43.15,87.9) v1(43.2,66.65) v1(43.2,64.65) v1(43.25,75.9) v1(43.3,36.6) v1(43.25,30.2) v1(43.35,41.95) v1(43.55,33.4) v1(43.65,114.6) v1(43.65,102.54) v1(43.75,86.2) v1(43.96,102.96) v1(43.95,99.01) v1(43.95,97.45) v1(43.95,92.95) v1(44.25,114.2) v1(44.3,102.52) v1(44.35,61.4) v1(44.4,56) v1(44.45,113) v1(44.45,87.9) v1(44.45,42) v1(44.75,107.9) v1(44.7,106.5) v1(44.7,79.5) v1(44.8,46.95) v1(44.7,32) v1(45.07,103.9) v1(45,85.55) v1(45.15,113) v1(45.15,74.8) v1(45.35,93.3) v1(45.45,137.5) v1(45.6,45.25) v1(45.6,31) v1(45.7,143.75) v1(45.7,133) v1(45.75,110.7) v1(45.75,89.3) v1(45.75,88.4) v1(45.7,65.6) v1(45.75,27.05) v1(45.85,98) v1(45.95,101.9) v1(45.95,48) v1(46.2,95.05) v1(46.1,50) v1(46.2,39.5) v1(46.55,109.4) v1(46.55,108.9) v1(46.6,107.4) v1(46.67,95.95) v1(46.65,92.01) v1(46.6,82.8) v1(46.8,86.55) v1(46.7,79.5) v1(46.7,37.6) v1(46.9,85.85) v1(46.85,81.4) v1(47.1,95.39) v1(47.15,44.7) v1(47.1,42) v1(47.3,117.65) v1(47.3,115.9) v1(47.25,79.75) v1(47.25,73.5) v1(47.35,104.8) v1(47.4,70.9) v1(47.35,33.35) v1(47.45,93.26) v1(47.7,46.3) v1(47.9,112.2) v1(47.95,77.9) v1(47.95,53.5) v1(47.95,51) v1(47.95,48.5) v1(47.95,30.1) v1(47.95,28) v1(48,105.9) v1(48,69.15) v1(48.35,92.02) v1(48.45,42.55) v1(48.55,100) v1(48.55,98.5) v1(48.5,57.1) v1(48.75,92.9) v1(48.8,39.5) v1(48.85,73.5) v1(48.95,94.5) v1(49.05,116.9) v1(49.05,114.9) v1(49.05,105.65) v1(49.05,44) v1(49.2,34.05) v1(49.35,101.65) v1(49.4,31.75) v1(49.45,107.5) v1(49.55,71.15) v1(49.55,37.55) v1(49.65,28.95) v1(49.75,86.85) v1(49.85,100) v1(49.85,98.5) v1(50.05,92.58) v1(50.05,88.87) v1(50.12,112.8) v1(50.15,75.9) v1(50.15,40.85) v1(50.35,103.3) v1(50.35,102.7) v1(50.35,102.1) v1(50.55,105) v1(50.55,100.8) v1(50.55,99.9) v1(50.55,98.9) v1(50.55,95.9) v1(50.69,110.7) v1(50.8,117.65) v1(50.8,115.9) v1(50.7,111.45) v1(50.8,64.55) v1(50.75,62.1) v1(50.96,115.05) v1(50.93,108.83) v1(50.95,59.9) v1(51.05,105.95) v1(51.05,72.15) v1(51.15,97.3) v1(51.28,112.8) v1(51.3,27.05) v1(51.35,84.96) v1(51.65,74.15) v1(51.75,95.9) v1(51.7,32.85) v1(51.9,42.55) v1(52.2,85.25) v1(52.15,43.6) v1(52.4,30.6) v1(52.45,138.25) v1(52.45,96.3) v1(52.75,75.8) v1(52.95,99.3) v1(52.95,83.8) v1(53.05,110.48) v1(53.15,27.5) v1(53.25,74.6) v1(53.65,106.2) v1(53.75,110.5) v1(53.75,103) v1(54.05,28.85) v1(54.2,133.25) v1(54.3,53.05) v1(54.3,49.9) v1(54.35,109.7) v1(54.35,109) v1(54.35,105.45) v1(54.35,56.85) v1(54.35,44) v1(54.45,207.75) v1(54.45,33.95) v1(54.5,39.5) v1(54.65,98.2) v1(54.75,83.8) v1(54.7,61.5) v1(54.85,65.55) v1(54.95,201) v1(54.95,110.2) v1(54.95,90.75) v1(55.05,31.9) v1(55.1,82.25) v1(55.1,46.55) v1(55.15,35.5) v1(55.45,192.25) v1(55.45,159) v1(55.55,106.1) v1(55.65,110.2) v1(55.75,85.3) v1(55.7,29.1) v1(56.05,70.87) v1(56.2,178.5) v1(56.2,27.05) v1(56.35,106.1) v1(56.45,183.25) v1(56.45,86) v1(56.6,62.3) v1(56.6,40.1) v1(56.85,58.2) v1(56.85,35.5) v1(56.95,53.1) v1(57.2,98.5) v1(57.3,42.15) v1(57.35,37.15) v1(57.4,28.65) v1(57.45,97) v1(57.45,90) v1(57.45,83) v1(57.45,64.25) v1(57.45,60.25) v1(57.45,56.25) v1(57.45,50.25) v1(57.45,46.3) v1(57.45,32.95) v1(57.55,69.5) v1(57.5,67.35) v1(57.7,103) v1(57.75,95.3) v1(57.7,85.25) v2(27.38,54.15) v2(27.38,53.15) v2(27.38,52.15) v2(27.38,51.15) v2(27.38,50.15) v2(28.38,54.15) v2(28.38,53.15) v2(28.38,52.15) v2(28.38,51.15) v2(28.38,50.15) v2(29.38,54.15) v2(29.38,53.15) v2(29.38,52.15) v2(29.38,51.15) v2(29.38,50.15) v2(30.38,54.15) v2(30.38,53.15) v2(30.38,52.15) v2(30.38,51.15) v2(30.38,50.15) v2(31.38,54.15) v2(31.38,53.15) v2(31.38,52.15) v2(31.38,51.15) v2(31.38,50.15)
